# Altium PCB 3-as-manufactured.pcbdoc (part 6 of 12) (continued)
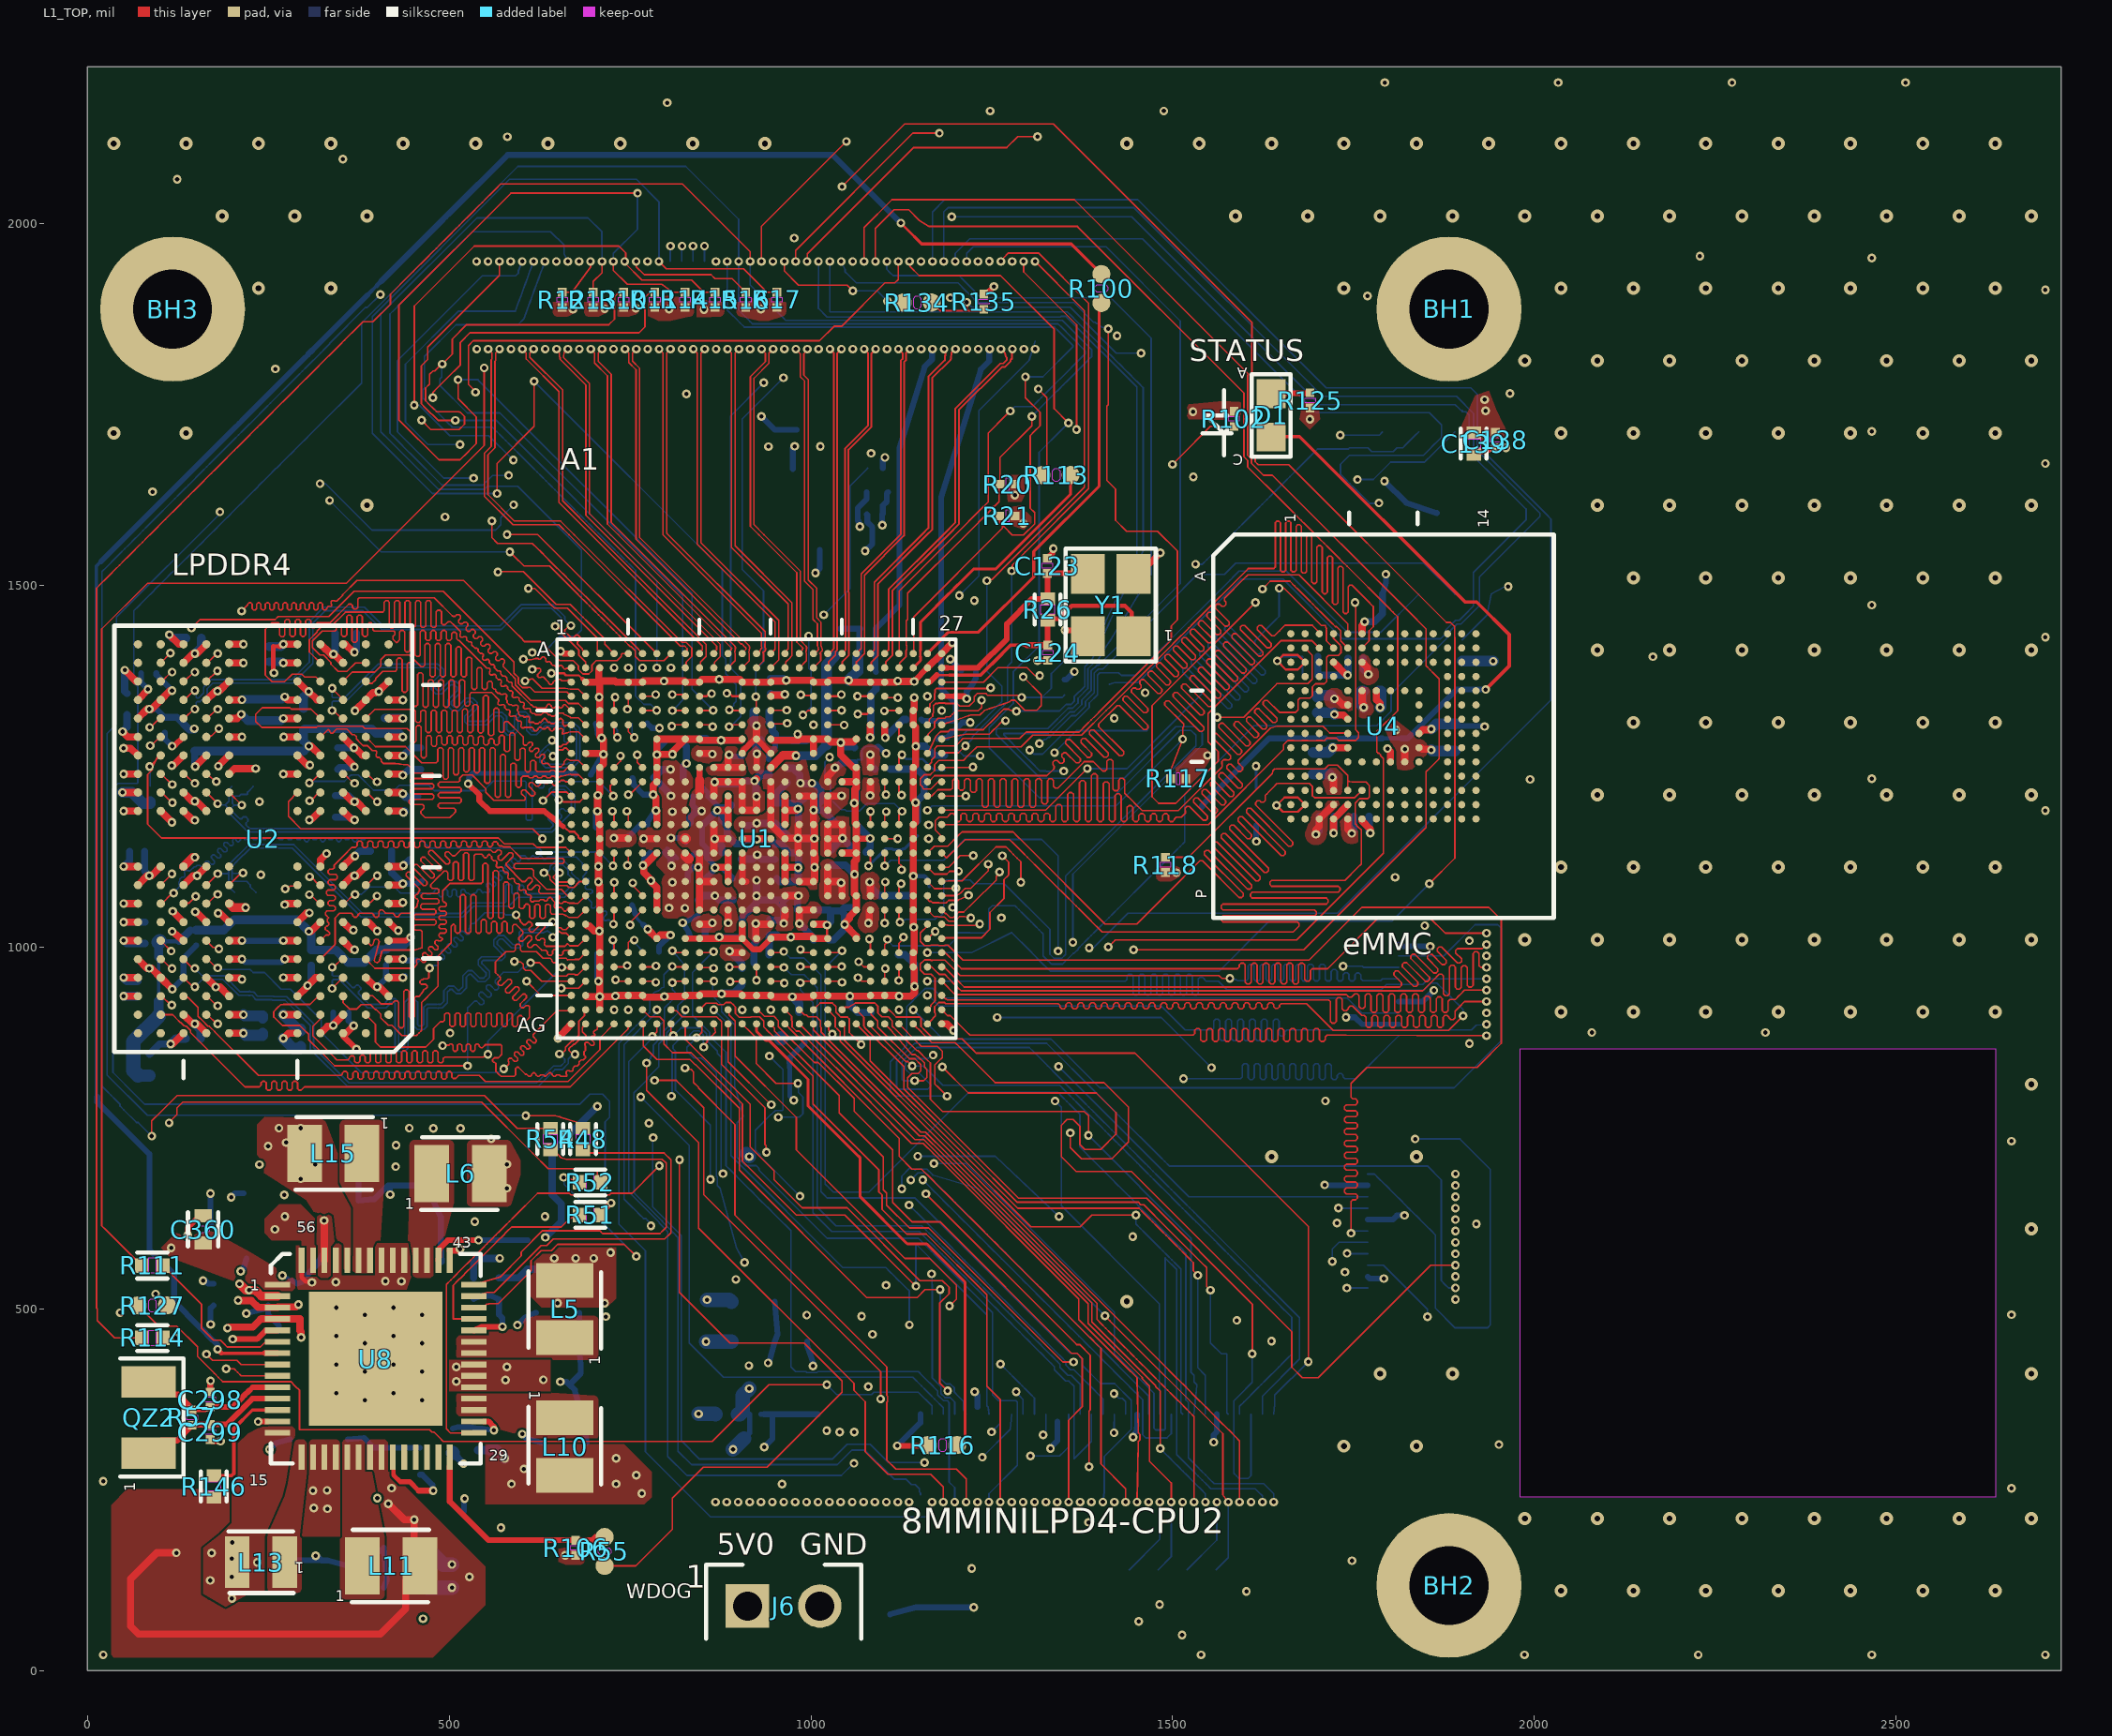
[diagram p0: L1_TOP view]
## Nets (pads, with @x,y where several pads share a name; then routed paths per layer and width w, separated by ;. In a path a pad name is that pad's centre, name@x,y a point inside that pad or via, vN(x,y) a via of type N, cw(c..) or ccw(c..) an arc to the next point about the centre after c; other vN are vias at no path point) (continued)
  L8_BOT w10: v1(50.41,1034.74) C266.2@80,1034.76 ; v1(51.89,1382.9) 51.89,1353.66 C106.2@54.89,1350.66 ; C374.2@79.47,1132.26 79.47,1105.1 v1(85.85,1098.72) ; C105.2@86.19,852.36 100.13,866.3 v1(115.25,866.3) ; C375.2@107.2,1317.8 123.99,1317.8 141.2,1300.59 C108.2@148.58,1300.59 ; v1(304.47,946.93) 309.5,951.96 C371.2@309.5,975.12 ; C111.2@343,1209.41 360.98,1209.41 v1(369.5,1200.98) v1(369.5,1200.98) ; C118.2@346.54,1245.92 349.01,1248.39 368.28,1248.39 v1(369.24,1249.35) ; v1(369.29,1407.62) 371.99,1410.32 C112.2@371.99,1434.05 ; C117.2@420.65,1132.9 420.65,1103.15 v1(436.06,1087.74) ; v1(436.35,1264.32) 447.69,1275.66 C113.2@460.89,1275.66 ; v1(787.09,1266.17) 787.09,1273.61 C94.2@798.38,1284.9 ; C8.2@845.89,1288.41 855.38,1288.41 857.75,1286.04 v1(875.81,1286.04) ; C74.2@852.92,1171.19 855.11,1173.38 855.19,1173.38 870.59,1188.78 v1(870.59,1189.16) ; v1(876.47,935.72) 877.43,936.68 893.63,936.68 904,947.04 904,948.49 C21.2@905,949.49 ; C20.2@890.07,1196.26 886.07,1192.26 873.69,1192.26 v1(870.59,1189.16) ; C99.2@942.3,989.41 942.3,1016.01 C36.2@943.44,1017.15 953.2,1017.15 956.47,1013.88 v1(972.2,1013.88) ; C100.2@942.4,1325.9 942.4,1310.62 946.21,1306.81 946.21,1304.24 946.76,1303.69 946.76,1298.86 950.8,1294.82 C1.2@950.8,1286.45 974.39,1286.45 975.1,1285.74 983,1285.74 ; C268.2@944.2,1371.59 961.7,1371.59 964.54,1368.75 v1(965.89,1368.75) ; C33.2@953.1,1094.7 957.02,1090.78 C15.2@981.85,1090.78 982.4,1091.33 v1(982.4,1109.84) 982.69,1110.13 C255.2@982.69,1130.38 971.19,1130.38 958.92,1142.65 C253.2@950.36,1142.65 943.92,1149.09 v1(925.04,1149.09) 910.01,1149.09 C35.2@903.85,1142.93 896.36,1142.93 884.24,1155.05 C16.2@884.24,1168.18 876.59,1175.83 876.59,1183.15 v1(870.59,1189.16) ; C256.2@967.36,1227.33 952.67,1212.64 C247.2@952.67,1199.1 974.23,1199.1 v1(982.18,1191.15) ; v1(981.81,1294.26) 982.77,1293.31 982.77,1285.97 983,1285.74 ; C254.2@982.67,1170.05 982.67,1190.66 v1(982.18,1191.15) ; C235.2@993.63,1209.18 982.18,1197.73 v1(982.18,1191.15) ; C244.2@993.88,1285.74 983,1285.74 ; C248.2@1002.74,1051.61 1025.76,1051.61 C23.2@1027.15,1050.22 ; v1(1022.22,1030.58) 1027.15,1035.51 C23.2@1027.15,1050.22 ; C6.2@1024.8,1010.06 1031.57,1010.06 1046.43,1024.92 1046.43,1031.25 v1(1046.66,1031.48) ; C101.2@1028.89,1113.39 1047.53,1113.39 v1(1060.27,1100.65) ; v1(1041.31,1282.62) 1042.66,1282.62 1048.26,1277.02 1059.23,1277.02 C30.2@1060.23,1276.02 ; v1@1046.43,1031.56 1046.43,1045.73 1041.94,1050.22 ; v1(1053.8,932.27) 1053.8,920.99 1065.05,909.74 C2.2@1083.09,909.74 ; v1(1060,1199.16) 1060,1200.51 1062.68,1203.19 C241.2@1062.68,1228.77 ; C3.2@1060.77,1054.73 1046.79,1054.73 1046.62,1054.9 1041.94,1050.22 ; C234.1@1062.19,1173.08 1062.19,1170.19 v1(1082.08,1150.3) 1082.08,1137.48 C104.2@1076.05,1131.45 ; C391.2@1109.45,1246.02 1146.86,1246.02 1156.37,1236.51 C9.2@1156.37,1229.43 1156.37,1211.47 v1(1144.67,1199.77) 1147.38,1197.06 C245.2@1147.38,1174.92 ; C392.2@1121.2,989.7 1130.09,989.7 1143.26,976.53 v1(1143.26,946.08) ; v1(1144.93,1277.76) 1157.8,1277.76 1170.15,1265.41 R103.2@1184.52,1265.41 ; C136.2@1700.4,1401.66 C137.2@1700.4,1375.66 1700.73,1375.99 v1(1741.72,1375.99) 1742.19,1376.46 C131.2@1742.19,1399.15 ; v1(1722.28,1157.86) 1723.1,1158.68 1723.1,1180.59 C133.2@1723.51,1181 ; v1(1765.41,1449.79) 1778.79,1449.79 1790,1461 U5.4@1790,1487.8 ; C132.2@1771.51,1181 1771.51,1159.34 v1(1773.14,1157.71) ; C23.2@1027.15,1050.22 1041.94,1050.22
  L8_BOT w12: v1(50.41,932.38) C381.2@68.89,932.39 ; v1(113.36,1431.9) 117.99,1427.27 C114.2@136.51,1427.27 ; v1(115.25,866.3) 122.58,873.63 C380.2@135.68,873.63 ; v1(212.92,1321.9) 221.68,1313.14 C110.2@242.89,1313.14 267.79,1313.14 v1(270.89,1316.24) ; C378.2@251.62,1415.48 267.77,1415.48 v1(270.89,1418.6) ; C109.2@298.93,1329.75 298.93,1346.14 v1(306.19,1353.4) ; C384.2@411.64,1316.74 435.74,1316.74 v1(436.24,1316.24) ; v1(436.06,1212.06) v1@439.71,1208.41 ; v1(974.35,931.51) 983.76,922.1 C400.2@983.76,911.1
  L8_BOT w15: v1(48.68,1213.88) 61.91,1213.88 77.39,1198.4 86.89,1198.4 R4.1@86.89,1201.39 ; v1(1052.24,1368.92) 1064.76,1381.44 C405.2@1064.76,1399.68 ; C130.2@1694.3,1268.95 1714.55,1268.95 v1(1721.33,1275.73) ; C128.2@1699.59,1324.38 1720.85,1324.38 v1(1723.44,1321.79) ; C129.2@1784.67,1354.01 1787.66,1354.01 1787.66,1332.34 v1(1786.48,1331.16) ; v1(1857.46,1301.57) 1864.59,1308.7 C127.2@1890,1308.7
  other v1: 22.13,22.13 1539.3,22.13 1986.24,22.13 2226.12,22.13 2465.99,22.13 2705.87,22.13 464,72 1747.63,152.2 1383.71,205.2 931.06,233.27 946.8,233.27 962.55,233.27 978.3,233.27 994.05,233.27 1009.8,233.27 1230.27,233.27 1324.76,233.27 1419.24,233.27 1513.73,233.27 1608.22,233.27 2659.11,252.28 960.2,257.98 22.13,262.01 1950.81,312.71 383.86,374.02 462.6,374.02 344.49,383.86 423.23,383.86 383.86,413.39 462.6,413.39 344.49,423.23 423.23,423.23 383.86,452.76 462.6,452.76 344.49,462.6 423.23,462.6 716.61,489.5 994.21,491.61 383.86,492.13 462.6,492.13 2659.11,492.15 45.37,494.89 344.49,501.97 423.23,501.97 1890.63,544.88 1738.05,551.12 1444.89,600.07 1919.65,617.55 1727,619 1890.63,623.62 237.84,699.6 2659.11,732.03 776.21,756.66 1711.12,787.58 371.9,859.03 1910,867 501.42,881.37 2079.2,882.13 2319.08,882.13 1933.49,909.2 177.58,944.94 1933.49,987.94 1910,1009 779,1092 1807.39,1096.66 240,1100 653,1150 2705.87,1188.73 238,1201 705.65,1209.94 1993.84,1231.9 2465.99,1232.96 148,1302 180,1354 2163.46,1401.52 2705.87,1428.6 2465.99,1472.83 494.59,1594.61 90.38,1629.55 1528.54,1649.82 2705.87,1668.48 1083.09,1682.6 2465.99,1712.71 828.08,1764.46 1966.13,1765.15 259.99,1799.16 538.31,1826.55 585.56,1826.55 632.8,1826.55 680.05,1826.55 727.29,1826.55 774.53,1826.55 821.78,1826.55 869.02,1826.55 916.27,1826.55 963.51,1826.55 1010.75,1826.55 1058,1826.55 1105.24,1826.55 1152.49,1826.55 1215.48,1826.55 1294.22,1826.55 1423,1845 1192.73,1897.69 1769.09,1899.95 2705.87,1908.35 585.31,1947.75 679.8,1947.75 774.28,1947.75 868.77,1947.75 1057.75,1947.75 1152.24,1947.75 1246.72,1947.86 2465.99,1952.58 2228.53,1954.99 977,1980 124.29,2061.11 353.38,2089.1 580.45,2120.03 1247.82,2155.66 1487.7,2155.65 801.65,2167.05 1793.01,2194.87 2032.88,2194.87 2272.76,2194.87 2512.63,2194.87
  other v2: 2036.65,110.59 2136.65,110.59 2236.65,110.59 2336.65,110.59 2436.65,110.59 2536.65,110.59 2636.65,110.59 1986.65,210.59 2086.65,210.59 2186.65,210.59 2286.65,210.59 2386.65,210.59 2486.65,210.59 2586.65,210.59 2686.65,210.59 1736.65,310.59 1836.65,310.59 1786.65,410.59 1886.65,410.59 2686.65,410.59 1436.65,510.59 2686.65,610.59 1636.65,710.59 1836.65,710.59 2686.65,810.59 2036.65,910.59 2136.65,910.59 2236.65,910.59 2336.65,910.59 2436.65,910.59 2536.65,910.59 2636.65,910.59 1986.65,1010.59 2086.65,1010.59 2186.65,1010.59 2286.65,1010.59 2386.65,1010.59 2486.65,1010.59 2586.65,1010.59 2686.65,1010.59 2036.65,1110.59 2136.65,1110.59 2236.65,1110.59 2336.65,1110.59 2436.65,1110.59 2536.65,1110.59 2636.65,1110.59 2086.65,1210.59 2186.65,1210.59 2286.65,1210.59 2386.65,1210.59 2486.65,1210.59 2586.65,1210.59 2686.65,1210.59 2136.65,1310.59 2236.65,1310.59 2336.65,1310.59 2436.65,1310.59 2536.65,1310.59 2636.65,1310.59 2086.65,1410.59 2186.65,1410.59 2286.65,1410.59 2386.65,1410.59 2486.65,1410.59 2586.65,1410.59 2686.65,1410.59 2136.65,1510.59 2236.65,1510.59 2336.65,1510.59 2436.65,1510.59 2536.65,1510.59 2636.65,1510.59 386.65,1610.59 2086.65,1610.59 2186.65,1610.59 2286.65,1610.59 2386.65,1610.59 2486.65,1610.59 2586.65,1610.59 2686.65,1610.59 36.65,1710.59 136.65,1710.59 2036.65,1710.59 2136.65,1710.59 2236.65,1710.59 2336.65,1710.59 2436.65,1710.59 2536.65,1710.59 2636.65,1710.59 1986.65,1810.59 2086.65,1810.59 2186.65,1810.59 2286.65,1810.59 2386.65,1810.59 2486.65,1810.59 2586.65,1810.59 2686.65,1810.59 236.65,1910.59 336.65,1910.59 1736.65,1910.59 2036.65,1910.59 2136.65,1910.59 2236.65,1910.59 2336.65,1910.59 2436.65,1910.59 2536.65,1910.59 2636.65,1910.59 186.65,2010.59 286.65,2010.59 386.65,2010.59 1586.65,2010.59 1686.65,2010.59 1786.65,2010.59 1886.65,2010.59 1986.65,2010.59 2086.65,2010.59 2186.65,2010.59 2286.65,2010.59 2386.65,2010.59 2486.65,2010.59 2586.65,2010.59 2686.65,2010.59 36.65,2110.59 136.65,2110.59 236.65,2110.59 336.65,2110.59 436.65,2110.59 536.65,2110.59 636.65,2110.59 736.65,2110.59 836.65,2110.59 936.65,2110.59 1436.65,2110.59 1536.65,2110.59 1636.65,2110.59 1736.65,2110.59 1836.65,2110.59 1936.65,2110.59 2036.65,2110.59 2136.65,2110.59 2236.65,2110.59 2336.65,2110.59 2436.65,2110.59 2536.65,2110.59 2636.65,2110.59
GPIO1_IO01: J5.64 U1.AF14 | length 913.6
  L1_TOP w2.2: U1.AF14@924.89,913.68 926.47,913.68 935.83,904.32 949.12,904.32 955.16,898.28 955.16,890.36 1004.8,840.72 1010.17,840.72 1059.81,791.09 1059.81,773.32 1113.12,720.02 1113.12,647.18 1139.7,620.6 1178.4,620.6 1360.16,438.84 1367.86,438.84 1374.91,431.79 1374.91,364.98 1356.25,346.32 v1(1356.25,233.27)
GPIO1_IO05: J5.62 U1.AF12 | length 906.5
  L1_TOP w2.2: U1.AF12@885.52,913.68 887.01,912.19 887.01,906.42 895.36,898.07 895.36,849.64 980,765 980,720 1130,570 1164,570 1201,533 1201,513.64 v1(1191.66,504.3)
  L3_INNER1 w2.2: v1(1191.66,504.3) 1191.66,503.34 1210.11,484.89 1210.11,478.29 1216.15,472.25 1222.18,466.22 1228.22,460.18 1240.29,448.11 1246.32,442.08 1252.36,436.04 1267.21,436.04 1273.32,429.93 1279.43,423.83 1285.54,417.72 1303.86,399.39 1309.97,393.28 1316.08,387.18 1322.19,381.07 1340.51,362.74 1340.51,353.85 1342.03,352.34 1342.03,275.66 1340.5,274.13 v1(1340.5,233.27)
GPIO1_IO06: J5.58 U1.AG11 | length 1023.1
  L1_TOP w2.2: v1(852,862) 852,864.57 856.98,869.55 856.98,871.24 862.6,876.86 868.22,882.48 U1.AG11@865.83,893.99
  L3_INNER1 w2.2: v1(861.25,678.99) 861.25,684.58 865.61,688.95 869.98,693.31 874.34,697.67 880.14,697.67 886.8,697.67 893.46,697.67 1100.46,490.67 1142.08,490.67 1259.71,373.05 1259.71,372.03 1265.95,365.78 1272.2,359.54 1278.44,353.29 1284.69,347.05 1290.93,340.8 1290.93,290.37 1309.01,272.29 v1(1309.01,233.27)
  L8_BOT w2.2: v1(852,862) 851.3,862.7 851.3,878.85 845.85,884.3 838.15,884.3 832.7,878.85 832.7,876.14 828.42,871.86 826.6,871.86 823.87,874.58 819.73,874.58 809.59,864.44 809.59,859.79 812.7,856.67 812.7,802.94 814.76,800.88 820.57,795.07 826.38,789.26 832.19,783.45 838,777.64 843.81,771.83 849.62,766.02 855.43,760.21 861.24,754.4 v1(861.25,678.99)
GPIO1_IO07: J5.56 U1.AF11 | length 899.6
  L3_INNER1 w2.2: v1(1136.13,478.11) 1138.8,478.11 1219.44,397.47 1229.06,397.47 1251.9,374.63 1251.9,365.01 1280.15,336.76 1280.15,328.21 1280.15,319.67 1280.15,311.13 1280.15,302.58 1280.15,294.04 1280.15,285.5 1293.27,272.38 v1(1293.26,233.27)
  L8_BOT w2.2: v1(865.83,913.68) 871.7,907.84 877.58,901.99 883.46,896.14 889.34,890.3 889.42,890.22 889.42,881.61 889.42,873.01 889.42,864.41 889.42,855.81 889.42,847.2 889.42,838.6 889.42,830 889.42,821.39 889.42,812.79 889.42,804.19 889.42,795.59 889.42,786.98 889.42,778.38 889.42,769.78 889.42,761.17 889.42,752.57 889.42,743.97 889.42,735.37 889.42,726.76 889.42,715 889.42,712.05 1044.04,557.43 1103.55,557.43 1109.28,551.7 1115.01,545.97 1120.29,540.69 1125.57,535.41 1130.85,530.13 1136.13,524.85 1136.13,516.94 1136.13,509.03 1136.13,501.12 1136.13,493.21 1136.13,485.29 v1(1136.13,478.11)
GPIO1_IO08: J5.54 U1.AG10 | length 906
  L1_TOP w2.2: v1(842,875) 842,875.05 849.33,882.38 849.33,884.61 849.33,890.81 U1.AG10@846.15,893.99
  L3_INNER1 w2.2: v1(908.49,564.44) 909.24,565.2 923.36,565.2 930.44,572.27 937.1,572.27 1190.25,319.13 1230.1,319.13 1277.51,271.72 v1(1277.51,233.27)
  L8_BOT w2.2: v1(842,875) 828.58,861.58 828.58,856.72 833.42,851.88 838.27,847.03 843.55,847.03 848.83,847.03 853.96,841.9 859.09,836.77 864.21,831.65 869.34,826.52 869.34,817.59 869.34,808.66 869.34,799.73 869.34,790.81 869.34,781.88 869.34,772.95 869.34,764.02 869.34,755.1 869.34,746.17 869.34,737.24 869.34,728.31 869.34,719.39 869.34,710.46 869.34,701.53 869.34,692.6 869.34,683.67 870.67,682.35 870.67,676.43 870.67,670.67 874.68,666.66 897.32,584.06 v1(908.49,564.44)
GPIO1_IO09: J5.52 U1.AF10 | length 926.8
  L1_TOP w2.06: 869.57,922.78 869.63,922.78 871.82,920.59 875.46,920.59
  L1_TOP w2.2: U1.AF10@846.15,913.68 855.25,922.78 869.57,922.78 ; 875.46,920.59 879.56,920.59 882.5,923.52 889.6,923.52 893.31,919.82 ; 893.3,919.8 895.68,917.42 895.68,908.43 900.85,903.26 917.05,903.26 917.62,903.83 928.97,903.83 934.73,898.07 934.73,889.91 942.75,881.89 942.92,881.89 1002.87,821.94 1002.87,783.54 1093.81,692.6 1093.81,662.44 1098.41,657.85 1098.41,637.79 1132.64,603.55 1159.39,603.55 1243.17,519.78 1243.17,393.38 1261.77,374.79 v1(1261.76,233.27)
GPIO1_IO10: J5.50 U1.AD10 | length 1031.6
  L1_TOP w2.2: U1.AD10@846.15,953.05 846.21,953.11 866,953.11 v1(866.06,953.18)
  L8_BOT w2.2: v1(866.06,953.18) 864.4,951.51 864.4,932.6 876.54,920.46 876.54,910.81 882.59,904.76 894.69,892.66 894.7,875.69 894.7,858.72 894.7,824.8 894.7,807.84 897.13,799.53 899.56,791.23 902,782.92 904.43,774.62 906.46,767.72 906.46,766.1 905.9,765.55 897.99,757.63 897.99,715 897.99,709.71 909.57,698.12 924.48,698.12 927.44,695.16 927.84,694.76 928,694.22 928.78,691.57 1022.5,597.84 1040.49,597.83 1076.47,597.83 1112.45,597.83 1130.44,597.83 1148.42,597.83 1166.53,579.73 1172.57,573.69 1178.6,567.66 1190.67,555.59 1214.81,531.45 1226.88,519.38 1238.95,507.31 1251.02,495.24 1251.02,477.82 1251.02,460.41 1251.02,443 1251.02,408.18 1251.02,390.77 1251.02,381.47 1259.14,373.35 1267.26,373.35 1283.48,373.35 1285.4,371.44 1285.4,362.72 1285.4,345.27 1285.4,319.1 1285.4,301.65 1285.4,284.2 1246.02,244.83 v1(1246.02,233.27)
GPIO1_IO11: J5.46 U1.AC10 | length 1010.2
  L1_TOP w2.2: v1(826,833) 827.88,831.12 834.39,831.12 837.79,827.73 837.79,813.37 844.76,806.39 844.76,805.24 895,755 895,715 895,630 1105,420 1105,380.32 1105.71,379.61 1105.71,371.91 1105,371.2 1105,291.32 1117.62,278.7 1201.19,278.7 1214.53,265.36 v1(1214.52,233.27) ; U1.AC10@846.15,972.74 847.03,971.86 864.58,971.86 v1(865.47,970.97)
  L3_INNER1 w2.2: v1(826,833) 835.7,842.7 854.07,842.7 862.5,851.12 862.5,872.71 856.27,878.93 856.27,903.88 856.27,920.51 850.21,926.57 850.21,957.14 864.04,970.97 v1(865.47,970.97)
GPIO1_IO12: J5.44 U1.AB10 | length 1046.2
  L1_TOP w2.2: U1.AB10@846.15,992.42 863.94,992.42 v1(865.5,993.98)
  L8_BOT w2.2: v1(865.5,993.98) 863.88,992.38 836.59,965.08 836.59,957.07 836.59,949.06 836.59,941.05 836.59,933.04 836.59,925.03 836.59,917.02 836.59,909.01 836.59,906.01 860.1,882.5 860.1,877.49 876.97,860.62 882.74,854.85 882.74,846.14 882.74,837.42 882.74,828.71 882.74,819.99 882.74,811.28 882.74,802.56 882.74,793.85 882.74,785.13 882.74,776.42 882.74,767.7 882.74,758.99 882.74,750.28 882.74,741.56 882.74,732.85 882.74,724.13 882.74,715.42 882.74,706.7 882.74,697.99 888.71,692.01 894.69,686.03 900.67,680.05 906.65,674.08 912.62,668.1 918.6,662.12 924.58,656.15 930.56,650.17 936.53,644.19 942.51,638.21 948.49,632.24 954.46,626.26 960.44,620.28 966.42,614.3 972.4,608.33 972.4,523.85 972.4,515.33 972.4,506.85 972.4,498.36 972.4,489.87 972.4,481.38 972.4,472.89 972.4,464.4 972.4,455.92 972.4,447.43 972.4,438.94 972.4,430.45 972.4,421.96 972.4,420.18 975.76,416.82 979.11,413.47 993.2,413.47 994.36,412.3 998.96,412.3 999.16,412.1 1006.87,412.1 1007.07,412.3 1008.45,412.3 1009.62,413.47 1016.43,413.47 1025.23,413.47 1034.03,413.47 1042.83,413.47 1051.64,413.47 1060.44,413.47 1069.24,413.47 1078.05,413.47 1086.85,413.47 1095.65,413.47 1104.46,413.47 1113.26,413.47 1122.06,413.47 1130.87,413.47 1139.67,413.47 1148.47,413.47 1154.54,407.4 1160.61,401.33 1166.68,395.26 1172.75,389.19 1175.3,386.64 1175.3,381.33 1183.33,373.3 1188.64,373.3 1190.96,370.98 1190.96,362.53 1190.96,354.07 1190.96,345.62 1190.96,337.16 1190.96,328.71 1190.96,320.25 1190.96,311.8 1190.96,303.34 1190.96,294.89 1190.96,286.43 1190.96,277.98 1190.96,269.52 1190.96,261.07 ; 1190.96,261.06 1198.75,253.27 v1(1198.77,233.27)
GPIO1_IO13: J5.42 U1.AD9 | length 958.7
  L1_TOP w2.2: v1(773,840) 773,802 845,730 845,715 845,611.78 1059.52,397.26 1059.52,387.53 1075.2,371.85 1075.2,302.8 1106.48,271.52 1165.48,271.52 1183,254 v1(1183.02,233.27) ; v1(808.5,951.18) 810.36,953.05 U1.AD9@826.47,953.05
  L8_BOT w2.2: v1(773,840) 773,841.11 778.71,846.82 778.71,849 782.47,852.76 782.47,858.66 782.47,865.11 791.9,874.54 791.9,892.48 797.78,898.36 797.78,916.3 801.3,919.82 805.68,924.21 810.07,928.59 812.11,930.64 812.11,938 808.51,941.6 v1(808.5,951.18)
GPIO1_IO14: J5.40 U1.AC9 | length 1186.6
  L1_TOP w2.2: v1(808.37,973.5) 809.13,972.74 U1.AC9@826.47,972.74
  L8_BOT w2.2: v1(808.37,973.5) 802.68,967.8 796.99,962.11 796.99,953.3 796.99,944.49 793.98,944.09 789.61,939.72 784.01,937.88 780.77,934.64 777.53,931.39 777.53,924.35 777.53,917.3 777.53,910.26 771.39,904.12 765.26,897.99 759.12,891.85 752.99,885.72 746.86,879.58 740.72,873.45 734.59,867.32 734.59,715 734.59,644.05 734.59,635.12 734.59,626.19 734.59,617.26 771.4,580.44 771.4,302.62 861.34,212.69 1158.23,212.69 1167.28,221.75 v1(1167.28,233.27)
GPIO1_IO15: J5.38 U1.AB9 | length 1151.3
  L1_TOP w2.2: v1(808.77,995.22) 811.57,992.42 U1.AB9@826.47,992.42
  L8_BOT w2.2: v1(808.77,995.22) 814.35,988.6 819.93,981.98 825.52,975.36 825.52,932.81 825.52,928.72 822.84,926.03 816,919.19 816,908.66 805.49,898.15 805.49,892.86 796.3,883.67 796.3,872.72 789.7,866.12 789.7,834.85 774.7,819.85 774.7,817.88 767.64,810.82 761.58,804.76 755.53,798.7 755.53,789.03 755.71,788.85 755.71,715 755.71,660.67 794.7,621.67 794.7,620.64 809.69,605.65 815.71,599.63 816.49,598.85 816.49,481.89 816.49,303.51 835,285 1036.73,285 1056.73,305 1069.85,305 1075,305 1115,265 1131.32,265 1139.03,257.29 1143.93,257.29 1149.8,251.42 1149.8,247.34 1151.53,245.61 J5.38@1151.53,243.25
I2C1_SCL: R10.2 R48.1 U1.E9 | length 3054.9
  L1_TOP w2.2: v1(462.01,1728.23) 474.67,1715.57 514.04,1715.57 521.4,1722.93 521.4,1733.34 515.5,1739.24 514.74,1739.24 513.81,1740.16 490.99,1740.16 482.79,1740.16 482.68,1740.27 482.48,1740.27 478.18,1744.56 472.87,1749.88 467.55,1755.2 467.55,1772.77 473.22,1778.45 473.22,1791.69 477.93,1796.4 480.01,1796.4 489.43,1805.82 v1(490.51,1805.82) ; v1@489.21,1807.12 491.8,1807.12 504.57,1819.89 504.57,1840.52 524.33,1860.27 720.84,1860.27 728.54,1867.97 728.54,1875.68 728.54,1891.08 728.54,1898.78 734.9,1905.14 R10.2@741.28,1905.14 ; v1(606.15,767.13) 646.45,767.13 647.08,767.03 650.68,765.95 651.31,765.86 652.94,765.86 653.39,765.41 653.78,765.02 654.31,764.86 676.6,758.16 680.03,754.74 R48.1@685,749.76 ; v1(808.62,1327.06) U1.E9@826.47,1327.06
  L3_INNER1 w2.2: v1(183.38,1601.6) 183.58,1601.81 335.59,1601.81 348.05,1614.27 354.38,1620.6 360.71,1626.93 379.71,1645.92 386.04,1652.26 392.37,1658.59 411.36,1677.58 417.69,1683.91 424.02,1690.24 443.01,1709.23 449.34,1715.56 455.68,1721.89 v1(462.01,1728.23)
  L8_BOT w2.2: v1(183.38,1601.6) 183.38,1599.21 40.49,1456.33 40.49,1308.99 40.5,1308.35 36.22,1304.07 27.53,1295.38 27.53,823.22 83.05,767.69 605.59,767.69 v1(606.15,767.13) ; v1(490.51,1805.82) 489.75,1805.07 489.75,1787.9 487.35,1785.5 487.35,1776.2 525.22,1738.34 ; 525.23,1738.33 570.31,1738.33 823.02,1485.62 823.02,1341.46 814.31,1332.76 v1(808.62,1327.06)
I2C1_SDA: R11.2 R54.1 U1.F9 | length 3174.5
  L1_TOP w2.2: v1(89.21,739.01) 89.21,760.07 100.91,771.77 106.76,777.62 118.46,789.33 124.31,795.18 548.82,795.18 594.24,749.76 R54.1@640,749.76 ; v1(477.49,1759.34) 477.49,1766.69 483.85,1773.05 490.21,1779.41 496.56,1785.77 502.92,1792.13 509.28,1798.49 515.64,1804.85 515.64,1835.93 528.92,1849.21 762.52,1849.21 770.64,1857.33 770.64,1873.57 770.64,1889.8 770.64,1897.92 777.85,1905.14 R11.2@784.25,1905.14 ; v1(807.68,1305.38) 809.68,1307.38 U1.F9@826.47,1307.38
  L3_INNER1 w2.2: v1(405,1902) 405.34,1902 416.72,1890.62 422.92,1884.42 441.51,1865.83 447.7,1859.64 453.9,1853.44 466.29,1841.05 466.29,1770.53 v1(477.49,1759.34) 481.09,1755.73 483.27,1755.73 496.26,1729.06 496.26,1722.93 512.05,1707.15 519.09,1707.15 554.41,1671.82 554.41,1621.2 560.61,1615.01 566.81,1608.81 573,1602.61 579.2,1596.41 585.4,1590.22 591.6,1584.02 597.8,1577.82 603.99,1571.62 610.19,1565.43 616.39,1559.23 634.98,1540.63 641.18,1534.44 647.38,1528.24 653.57,1522.04 659.77,1515.84 665.97,1509.65 672.17,1503.45 678.37,1497.25 684.56,1491.05 690.76,1484.85 696.96,1478.66 703.16,1472.46 709.35,1466.26 715.55,1460.06 721.75,1453.87 727.95,1447.67 734.15,1441.47 740.34,1435.27 746.54,1429.07 765.13,1410.48 771.33,1404.28 777.53,1398.09 777.53,1379.47 774.26,1376.2 771,1372.94 771,1344.62 773.46,1342.15 773.46,1321.86 777.48,1317.85 781.49,1313.84 799.23,1313.84 v1(807.68,1305.38)
  L8_BOT w2.2: v1(89.21,739.01) 82.95,745.27 70.44,757.78 68.08,757.78 50.49,775.37 45.42,780.44 45.42,782.8 39.17,789.06 32.91,795.31 26.66,801.57 20.4,807.82 20.4,915.86 20.4,1032.9 20.4,1149.95 20.4,1221.97 20.4,1303 20.4,1321.01 20.4,1330.01 20.4,1438.05 20.4,1519.08 26.69,1525.37 39.28,1537.96 45.58,1544.25 51.87,1550.55 58.16,1556.84 64.46,1563.14 70.75,1569.43 77.05,1575.72 83.34,1582.02 89.63,1588.31 121.1,1619.78 127.4,1626.08 133.69,1632.37 139.99,1638.66 146.28,1644.96 152.57,1651.25 158.87,1657.55 165.16,1663.84 171.46,1670.13 202.92,1701.6 209.22,1707.9 215.51,1714.19 221.81,1720.48 228.1,1726.78 234.39,1733.07 240.69,1739.37 246.98,1745.66 253.28,1751.95 284.75,1783.42 291.04,1789.72 297.33,1796.01 303.63,1802.31 309.92,1808.6 316.22,1814.89 322.51,1821.19 328.8,1827.48 335.1,1833.78 335.1,1834.76 384.46,1884.13 387.13,1884.13 v1(405,1902)
I2C2_SCL: J4.22 R12.2 U1.D10 | length 1601.9
  L1_TOP w2.2: R12.2@656.25,1905.15 669,1905.15 671.75,1907.9 695.54,1939.36 v1(695.54,1947.75)
  L1_TOP w3: U1.D10@846.15,1346.75 855.86,1346.75 859.55,1350.44 v1(862.8,1350.44)
  L3_INNER1 w2: v1(589.32,1611.42) 589.32,1629.09 588.22,1631.04 577.12,1642.14 571.87,1647.39 571.87,1679.44 577.43,1685 595,1685 855,1425 855,1359.73 862.8,1351.93 v1(862.8,1350.44)
  L3_INNER1 w8.05: v1(321.74,1640.59) 321.74,1868.26 423.91,1970.42 682.58,1970.42 695.54,1957.46 v1(695.54,1947.75)
  L8_BOT w2.2: v1(321.74,1640.59) 329.4,1640.59 393.49,1576.5 564.37,1576.5 571.73,1583.87 571.73,1593.82 v1(589.32,1611.42)
I2C2_SDA: J4.24 R13.2 U1.D9 | length 1518.2
  L1_TOP w2.2: R13.2@699.25,1905.15 699.25,1920.06 711.3,1932.11 v1(711.29,1947.75)
  L1_TOP w3: v1(808.41,1349.15) 824.07,1349.15 U1.D9@826.47,1346.75
  L3_INNER1 w2.2: v1(614.8,1407.27) 634.05,1407.27 643.03,1398.3 651.3,1398.3 659.58,1398.3 667.86,1398.3 701.64,1398.3 765.32,1334.61 765.32,1309.33 788.24,1286.41 808.88,1286.41 814.52,1292.05 822.04,1299.58 822.04,1345.79 819.7,1348.14 809.42,1348.14 v1(808.41,1349.15)
  L8_BOT w2.2: v1(614.8,1407.27) 630.32,1407.27 652.46,1429.41 674.08,1429.41 683.02,1438.35 683.02,1548.78 594.87,1636.92 578.23,1636.92 569.91,1636.92 553.26,1636.92 549.14,1632.8 485.34,1632.8 479.23,1638.92 418.05,1700.09 405.82,1712.33 405.82,1873.96 405.17,1874.61 408.34,1877.78 538.45,2007.89 692.2,2007.89 711.24,1988.85 ; 711.24,1988.91 v1(711.29,1947.75)
I2C3_SCL: J4.26 R14.2 U1.E10 | length 1659.5
  L1_TOP w2.2: v1(512.44,1784.28) 512.44,1757.95 537.5,1732.89 537.5,1703.34 537.5,1695.96 531.13,1689.59 524.76,1683.22 515.21,1673.66 485.92,1673.66 430.55,1729.03 430.55,1887.08 585.58,2042.11 v1(760.43,2042.11) ; v1(727.04,1947.75) 727.04,1935.23 746.23,1916.04 793.87,1916.04 794.89,1915.33 801.97,1910.4 807.23,1905.14 R14.2@826,1905.14 ; U1.E10@846.15,1327.06 864.64,1327.06 v1(864.93,1327.36)
  L8_BOT w2.2: v1(512.44,1784.28) 540,1784.28 835.68,1488.61 835.68,1356.62 859.25,1333.05 v1(864.93,1327.36) ; v1(727.04,1947.75) 727.03,1958.79 760.43,1992.19 v1(760.43,2042.11)
I2C3_SDA: J4.28 R15.2 U1.F10 | length 1293.3
  L1_TOP w2.2: v1(452,1749.16) 452,1886 535,1969 734.58,1969 744.19,1959.39 744.19,1949.68 742.79,1948.28 v1(742.79,1947.75) 742.79,1945.64 766.49,1921.94 835.26,1921.94 852.05,1905.15 R15.2@867.58,1905.15 ; U1.F10@846.15,1307.38 861.61,1307.38 v1(864.35,1304.65)
  L3_INNER1 w2.2: v1(588.78,1673.25) 692.04,1570 845,1417.04 845,1324.92 859.11,1310.81 v1(864.35,1304.65)
  L8_BOT w2.2: v1(452,1749.16) 458.85,1749.16 500.86,1707.15 554.89,1707.15 v1(588.78,1673.25)
I2C4_SCL: J4.30 R16.2 U1.D13 | length 1191.7
  L1_TOP w2.2: v1(758.54,1947.75) 758.77,1947.52 758.77,1940.3 769.6,1929.46 862.06,1929.46 867.59,1923.93 891.21,1923.93 R16.2@909.99,1905.15
  L1_TOP w3: v1(884,1351) 887.25,1351 891.5,1346.75 U1.D13@905.21,1346.75
  L3_INNER1 w2: v1(758.54,1947.75) 758.54,1937.69 748.54,1927.69 568.97,1927.69 512.46,1871.18 512.46,1801.67 526.71,1787.42 526.71,1772.71 519,1765 519,1751.39 524.97,1745.42 555.62,1745.42 898.46,1402.57 898.46,1363.13 895.3,1359.97 893.32,1359.97 884.35,1351 v1(884,1351)
I2C4_SDA: J4.34 R17.2 U1.E13 | length 1887.2
  L1_TOP w2.2: v1(566.28,1626.99) 566.28,1668.53 617.62,1719.87 v1(617.62,1782.16) ; v1(790.03,1947.75) 800.3,1937.48 906.94,1937.48 ; v1(887.28,1327.98) 888.2,1327.06 U1.E13@905.21,1327.06 ; 906.97,1937.45 939.29,1905.13 R17.2@953,1905.13
  L8_BOT w2.2: v1(566.28,1626.99) 555.26,1626.99 477.17,1626.99 394,1710.16 394,1871.63 583.53,2061.15 759.15,2061.15 790.02,2030.29 790.02,1961.26 v1(790.03,1947.75) ; v1(617.62,1782.16) 623.98,1775.8 877.68,1522.1 877.68,1429.83 877.68,1402.91 882.3,1398.29 882.3,1377.75 896.77,1363.27 896.77,1339.89 893.45,1336.56 893.45,1335.47 893.45,1334.13 892.88,1333.56 v1(887.28,1327.98)
JTAG_MOD: R23.1 U1.D27 | length 76.9
  L1_TOP w6.88: U1.D27@1180.8,1346.75 U1.D27@1183.58,1346.75
  L1_TOP w7.46: U1.D27@1183.58,1346.75 1198.12,1346.75
  L1_TOP w8.05: 1198.12,1346.75 1204.02,1346.75 1211.76,1346.75 v1(1215.22,1343.29)
  L8_BOT w8.05: v1(1215.22,1343.29) 1215.22,1353.99 1221.15,1359.92 1225,1366.42 1227.81,1371.16 R23.1@1227.81,1380.02
JTAG_NTRST: J4.60 U1.C27 | length 1531.2
  L1_TOP w2.2: v1@995.29,1948.28 995.13,1948.43 995.13,1949.5 995.29,1949.66 995.29,1958.29 1142.09,2105.09 1270.83,2105.09 1285.87,2120.13 v1(1313.24,2120.13) ; U1.C27@1180.81,1366.44 1238.59,1366.44 1258.39,1386.24 1298.58,1386.24 1309.54,1375.28 v1(1316.18,1375.28)
  L3_INNER1 w2.2: v1(1313.24,2120.13) 1608.14,1825.23 1608.14,1688.16 1471.33,1551.35 1471.33,1537.4 1471.33,1530.43 1465.12,1524.23 1458.91,1518.02 1452.71,1511.81 1446.5,1505.61 1415.47,1474.58 1409.27,1468.37 1403.06,1462.17 1372.03,1431.14 1365.82,1424.93 1359.62,1418.72 1347.21,1406.31 1341,1400.11 1334.8,1393.9 v1(1316.18,1375.28)
  other v1: 994.76,1947.75
JTAG_TCK: J4.62 R18.1 U1.F26 | length 1261.7
  L1_TOP w2.2: U1.F26@1161.11,1307.38 U1.F26@1161.1,1308.33 ; U1.F26@1163.7,1310.93 1163.7,1314.76 1168.37,1319.42 1168.37,1322.86 1169.56,1324.05 1169.56,1334.06 1172.4,1336.91 1173.53,1336.91 1175.8,1336.91 1176.45,1337.56 1185.15,1337.56 1185.8,1336.91 1201.9,1336.91 1205.68,1333.13 1218.71,1333.13 1225.59,1340.01 1225.59,1346.35 1229.97,1350.73 1241.79,1350.73 1244.17,1348.35 1244.3,1348.29 1253.06,1348.29 1261.87,1348.29 1270.68,1348.29 1279.49,1348.29 1288.31,1348.29 v1(1291.37,1345.22)
  L8_BOT w2.2: J4.62@1010.51,1947.76 1010.42,1882.96 1022.56,1870.81 1344.7,1870.81 1345.58,1871.69 1352.87,1871.69 1450.4,1774.15 1450.4,1541.36 1446.71,1533.52 1443.02,1525.68 1439.34,1517.85 1435.65,1510.01 1431.96,1502.17 1428.27,1494.33 1424.58,1486.5 1420.89,1478.66 1417.2,1470.82 1413.51,1462.98 1409.82,1455.15 1406.13,1447.31 1402.44,1439.47 1398.75,1431.63 1395.06,1423.79 1391.37,1415.96 1389.53,1412.04 1366.04,1412.04 1332.17,1378.17 1332.17,1358.05 1319.35,1345.22 ; v1(1291.37,1345.22) 1319.35,1345.22 ; R18.1@1350.79,1348.69 1347.32,1345.22 1319.35,1345.22
  other v1: 1010.5,1947.75
JTAG_TDI: J4.54 U1.E27 | length 1573.9
  L3_INNER1 w2.2: v1(1180.8,1327.06) 1180.8,1343.88 1215,1378.08 1215,1401.01 1225,1411.01 1226,1412.02 v1(1226,1478.84)
  L5_PWR w4: v1(947.51,1947.75) 947.51,1934.51 941,1928 539,1928 512.46,1901.46 512.46,1823.57 522.03,1814 630,1814 943,1501 1216.12,1501 1226,1491.11 v1(1226,1478.84)